# Altium PCB Modbus_PCB1.PcbDoc (part 1 of 3) (continued)
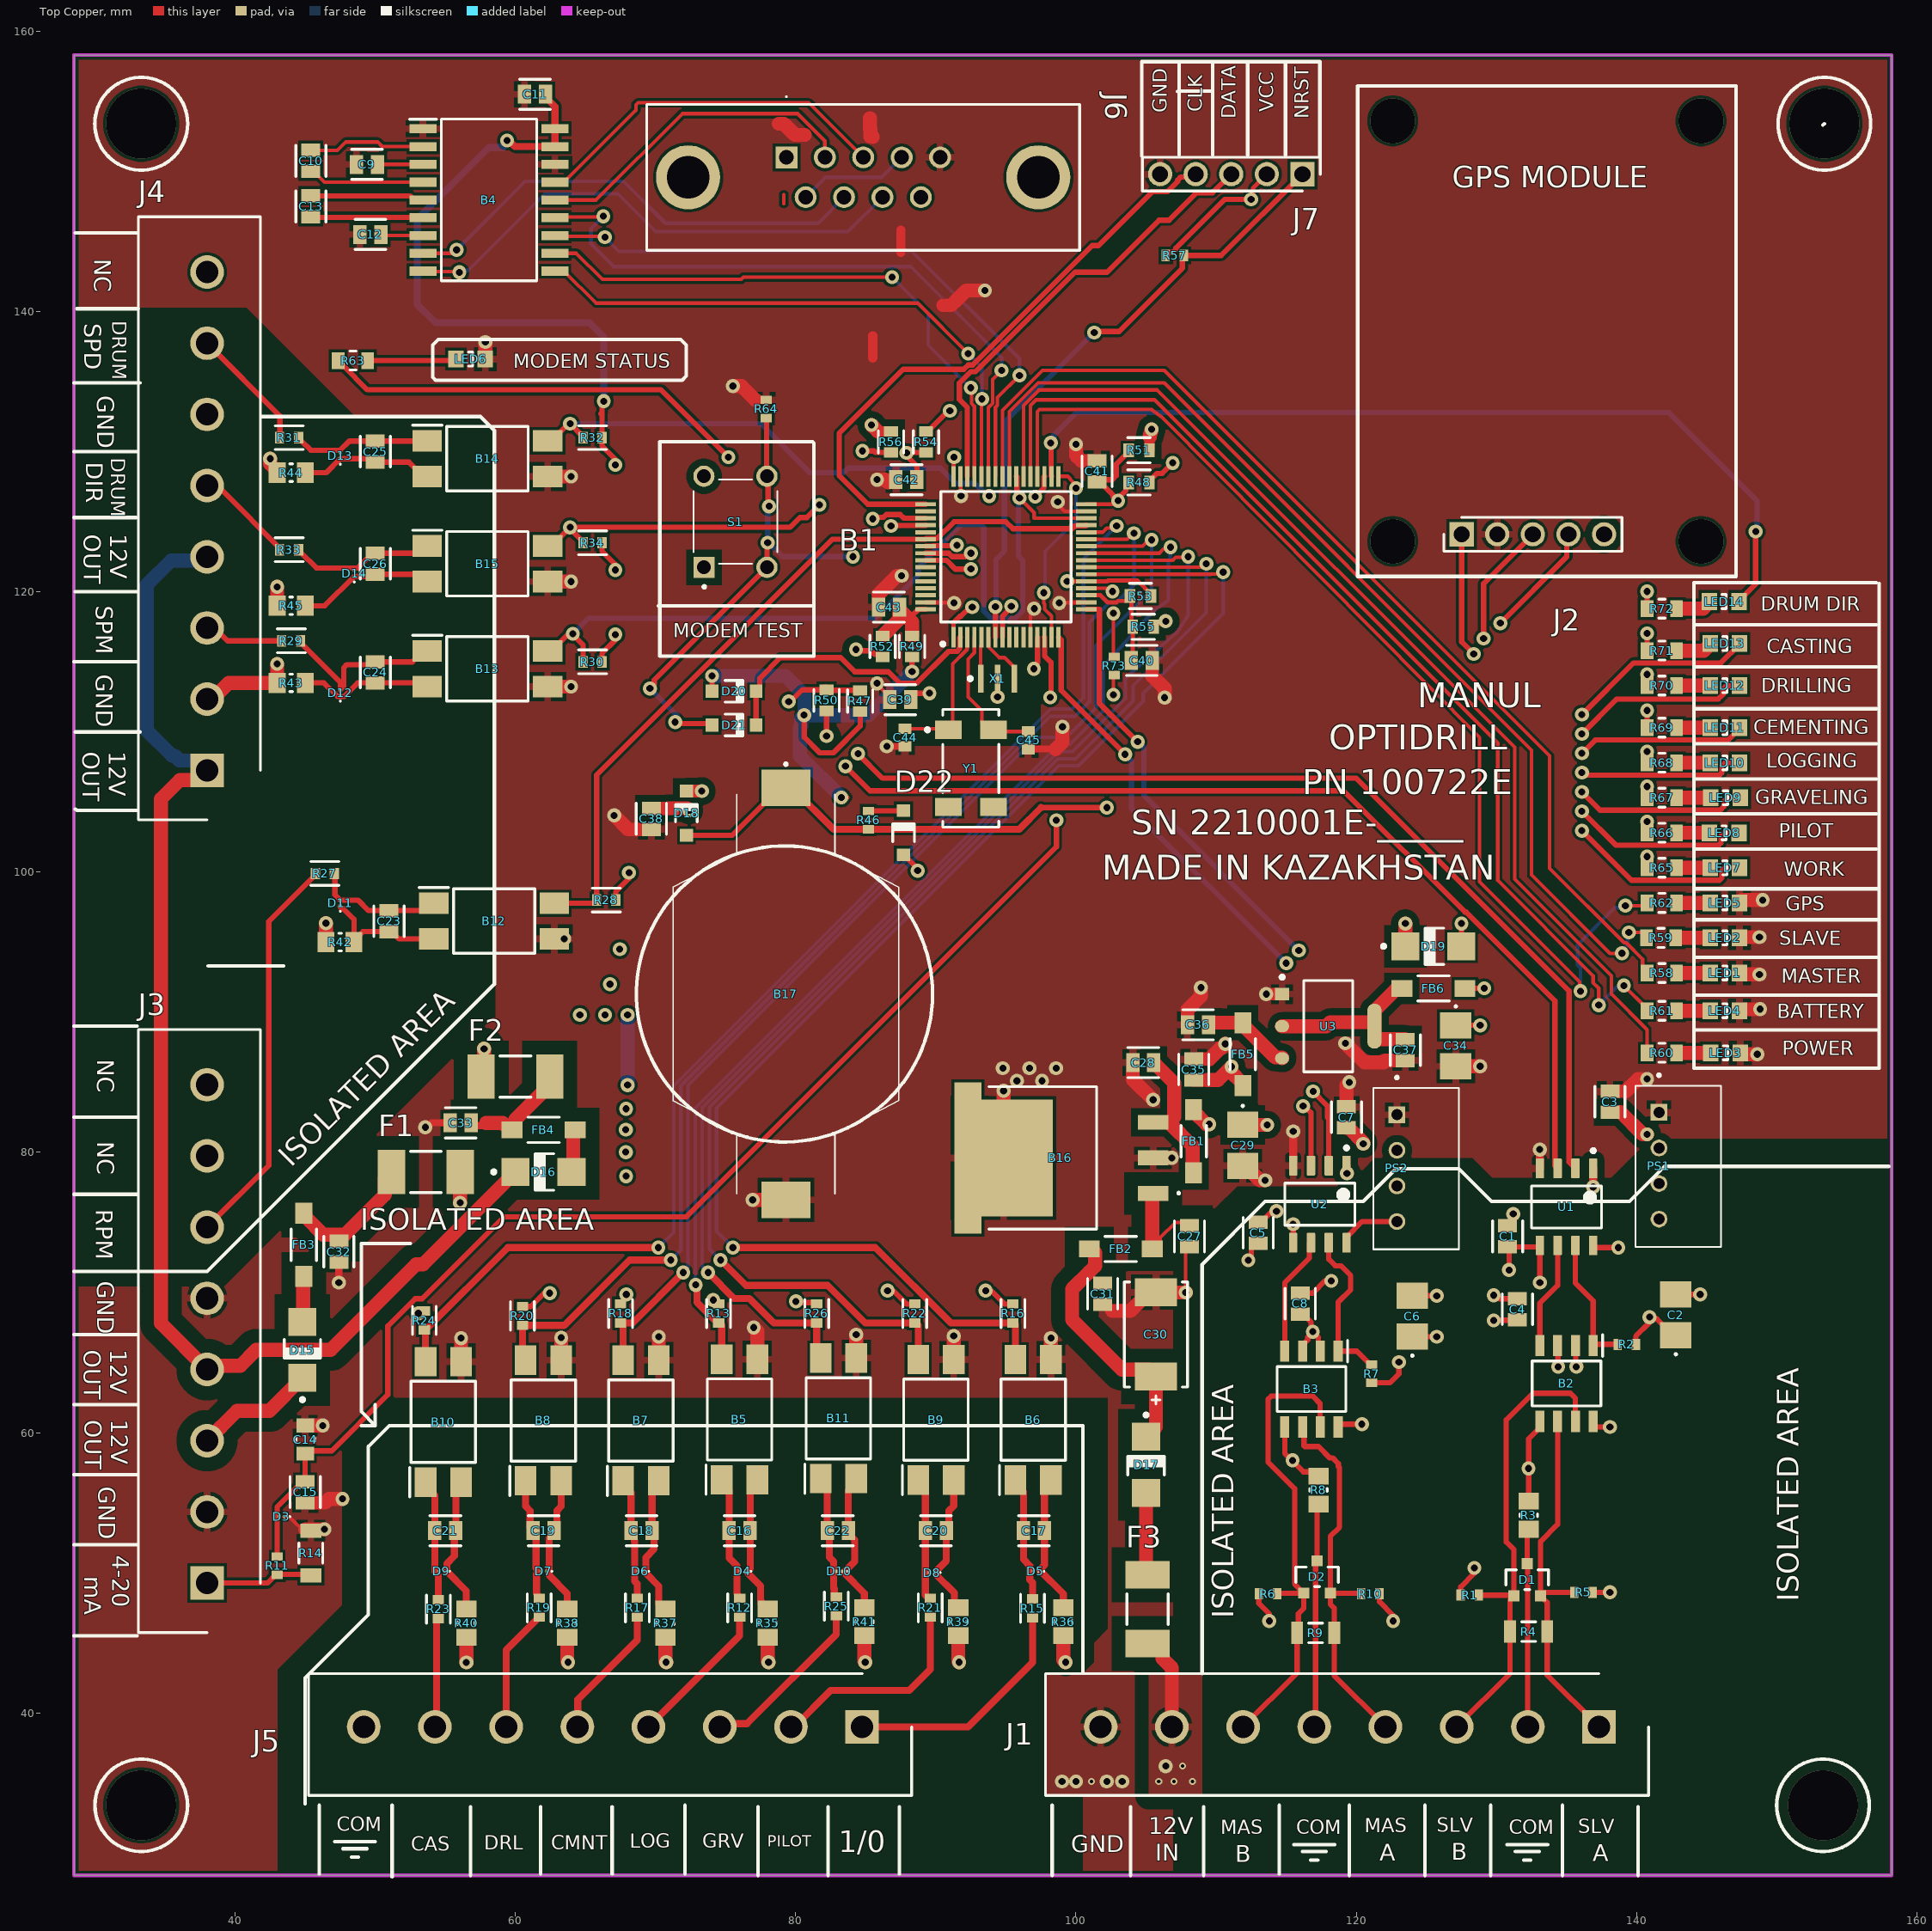
[diagram p0: Top Copper view]
## Footprints (in the part's own frame and the unit in brackets; to place one, negate y for a bottom-side part, rotate by r counter-clockwise, add the part's x,y. Pads: shape width x height; smd on the part's side, far side on the other; paste and mask are expansions set on the pad)
0805_A [mm] "Chip LED, 2-Leads, Body 2.0x1.3mm, IPC Medium Density"
  rect 1.1x1.2 smd: 1(-1.05,0) 2(1.05,0)
  silkscreen extent -0.15,-0.5 0.15,0.5, body extent -1,-0.62 1,0.63, height 0.68
57450512 [mm]
  rect 1.56x1.56 hole 1.04: 1(0,0)
  round 1.56 hole 1.04: 2(2.74,0) 3(5.48,0) 4(8.22,0) 5(10.96,0) 6(1.37,-2.84) 7(4.11,-2.84) 8(6.85,-2.84) 9(9.59,-2.84)
  round 4.575 hole 3.05: MH1(-7.015,-1.42) MH2(17.975,-1.42)
  silkscreen extent -9.96,-6.63 20.93,4.38, body extent -9.98,-6.6 20.9,3.81, height 12.09
CAPC1608X92X38LL15T08 [mm] "Chip Capacitor, 2-Leads, Body 1.60x0.80mm, IPC High Density"
  rect 0.75x0.9 smd: 1(-0.625,0) 2(0.625,0)
  body extent -0.87,-0.48 0.87,0.48, height 0.92
CONV_TME_0505S [mm]
  rect 1.19x1.19 hole 0.79: 1(-3.85,0)
  round 1.19 hole 0.79: 2(-1.31,0) 3(1.23,0) 4(3.77,0)
  silkscreen extent -6.6,-1.67 5.75,4.43, body extent -5.7,-1.73 5.7,4.27, height 9.91
DIOD-SOD123-2_V [mm] "SOD123, 2-Leads, Body 2.7x1.55mm, Height 1.45mm"
  rect 0.9x0.95 smd: 1(-1.575,0) 2(1.575,0)
  silkscreen extent -0.64,-0.83 0.63,0.77, body extent -1.35,-0.77 1.35,0.77, height 1.45
FP-0448-MFG [mil]
  rect 77x124 smd paste+0 mask+0: 1(-96.5,0) 2(96.5,0)
  silkscreen extent -43,-58 43,58, body extent -139,-66 139,66, height 10
FP-ABS25-MFG [mm]
  rect 1.3x1.9 smd paste+0 mask+0: 1(-2.75,-1.6) 2(2.75,-1.6) 3(2.75,1.6) 4(-2.75,1.6)
  silkscreen extent -4.2,-3.22 4.2,2, body extent -4.3,-2.65 4.3,2.65, height 0.25
FP-AC0805-MFG [mm]
  rect 0.9x1.2 smd paste+0 mask+0: 1(-1.05,0) 2(1.05,0)
  silkscreen extent -0.22,-0.68 0.23,0.67, body extent -1.6,-0.77 1.6,0.77, height 0.25
FP-AMS1117-IPC_C [mm]
  rect 1.004x0.872 smd paste+0 mask+0: 1(-3.295,2.29)
  rrect100% 1.004x0.872 smd paste+0 mask+0: 2(-3.295,0) 3(-3.295,-2.29)
  rrect87% 1.004x3.182 smd paste+0 mask+0: 4(3.295,0)
  silkscreen extent -3.42,-3.25 1.75,3.62, body extent -3.9,-3.35 3.9,3.35, height 0.25
FP-BLM41-0_2-a1_2-MFG [mm]
  rect 1.5x1.2 smd paste+0 mask+0: 1(-2.25,0) 2(2.25,0)
  silkscreen extent -1.12,-0.9 1.13,0.9, body extent -3.1,-1 3.1,1, height 0.25
FP-C0805C-DN-MFG [mm]
  rect 0.95x1.35 smd paste+0 mask+0: 1(-0.75,0) 2(0.75,0)
  silkscreen extent -1.1,-1.08 1.1,1.07, body extent -1.4,-0.85 1.4,0.85, height 0.25
FP-CRCW0603-HPe3-MFG [mm]
  rect 0.75x1 smd paste+0 mask+0: 1(-0.75,0) 2(0.75,0)
  silkscreen extent -0.8,-0.9 0.8,0.9, body extent -1.22,-0.6 1.22,0.6, height 0.25
FP-D0008B-MFG [mm]
  rrect17% 1.4x0.6 smd paste+0 mask+0: 1(-2.75,1.905) 2(-2.75,0.635) 3(-2.75,-0.635) 4(-2.75,-1.905) 5(2.75,-1.905) 6(2.75,-0.635) 7(2.75,0.635) 8(2.75,1.905)
  silkscreen extent -4.14,-2.5 1.5,2.5, body extent -3.55,-2.75 3.55,2.75, height 0.25
FP-MK212G-MFG [mm]
  rect 1x1.25 smd paste+0 mask+0: 1(-1,0) 2(1,0)
  silkscreen extent -0.13,-0.67 0.13,0.68, body extent -1.6,-0.77 1.6,0.77, height 0.25
FP-RC0603-0_55-IPC_C [mm]
  rect 0.659x0.812 smd paste+0 mask+0: 1(-0.677,0) 2(0.677,0)
  silkscreen extent -1.01,-0.85 1.01,0.85, body extent -1.11,-0.55 1.11,0.55, height 0.25
FP-RT1206-MFG [mm]
  rect 1x1.5 smd paste+0 mask+0: 1(-1.6,0) 2(1.6,0)
  silkscreen extent -0.72,-0.85 0.72,0.85, body extent -2.2,-0.95 2.2,0.95, height 0.25
FP-SM712-MFG [mm]
  rect 0.78x0.78 smd paste+0 mask+0: 1(-1.145,0.95) 2(-1.145,-0.95) 3(1.145,0)
  silkscreen extent -0.7,-1.52 0.7,1.52, body extent -1.64,-1.62 1.64,1.62, height 0.25
FP-TAJE-MFG [mm]
  rect 2x3 smd paste+0 mask+0: 1(-3,0) 2(3,0)
  silkscreen extent -3.75,-2.25 4.97,2.25, body extent -4.1,-2.35 4.1,2.35, height 0.25
HDRV5W67P0X254_1X5_1270X241X858P [mm]
  rect 1.725x1.725 / inner round 1.725 / far side rect 1.725x1.725 hole 1.15: 1(0,0)
  round 1.725 hole 1.15: 2(2.54,0) 3(5.08,0) 4(7.62,0) 5(10.16,0)
  silkscreen extent -1.27,-1.2 11.43,1.21, body extent -10,-3.38 10,3.38, height 5.8
KTT0003B [mm]
  rect 2.16x1.07 smd: 1(12.67,-2.54) 2(12.67,0) 3(12.67,2.54)
  rect 7x8.33 smd: 4(2,0)
  rect 1.91x1.235 smd: 5(-0.545,4.783) 6(-0.545,-4.783)
  silkscreen extent 0.94,-5.08 14.56,5.08, body extent -1.47,-5.08 13.77,5.08, height 4.54
MURA-CSTCE_G_A-3_V [mm] "SMD, 3-Leads, Body 3.2x1.3mm, Pitch 1.2mm"
  rect 0.4x2 smd: 1(-1.2,0) 2(0,0) 3(1.2,0)
  silkscreen extent -2.07,-0.12 -1.83,0.12, body extent -1.6,-0.65 1.6,0.65, height 0.7
ONSC-SMA-2-403D-02_V [mm] "Molded, 2-Leads, Body 4.57x2.92mm"
  rect 2x2 smd: 1(-2,0) 2(2,0)
  silkscreen extent -3.67,-1.3 0.74,1.3, body extent -2.16,-1.3 2.16,1.3, height 2.2
PESD5V0H1BSFYL [mm]
  rect 0.14x0.24 smd: 1(-0.2,0) 2(0.2,0)
  silkscreen extent -0.65,-0.05 -0.55,0.05, body extent -10,-3.38 10,3.38, height 5.8
QFP50P1200X1200X160-64N [mm]
  rect 1.475x0.3 smd: 1(-5.738,3.75) 2(-5.738,3.25) 3(-5.738,2.75) 4(-5.738,2.25) 5(-5.738,1.75) 6(-5.738,1.25) 7(-5.738,0.75) 8(-5.738,0.25) 9(-5.738,-0.25) 10(-5.738,-0.75) 11(-5.738,-1.25) 12(-5.738,-1.75) 13(-5.738,-2.25) 14(-5.738,-2.75) 15(-5.738,-3.25) 16(-5.738,-3.75) 33(5.738,-3.75) 34(5.738,-3.25) 35(5.738,-2.75) 36(5.738,-2.25) 37(5.738,-1.75) 38(5.738,-1.25) 39(5.738,-0.75) 40(5.738,-0.25) 41(5.738,0.25) 42(5.738,0.75) 43(5.738,1.25) 44(5.738,1.75) 45(5.738,2.25) 46(5.738,2.75) 47(5.738,3.25) 48(5.738,3.75)
  rect 0.3x1.475 smd: 17(-3.75,-5.738) 18(-3.25,-5.738) 19(-2.75,-5.738) 20(-2.25,-5.738) 21(-1.75,-5.738) 22(-1.25,-5.738) 23(-0.75,-5.738) 24(-0.25,-5.738) 25(0.25,-5.738) 26(0.75,-5.738) 27(1.25,-5.738) 28(1.75,-5.738) 29(2.25,-5.738) 30(2.75,-5.738) 31(3.25,-5.738) 32(3.75,-5.738) 49(3.75,5.738) 50(3.25,5.738) 51(2.75,5.738) 52(2.25,5.738) 53(1.75,5.738) 54(1.25,5.738) 55(0.75,5.738) 56(0.25,5.738) 57(-0.25,5.738) 58(-0.75,5.738) 59(-1.25,5.738) 60(-1.75,5.738) 61(-2.25,5.738) 62(-2.75,5.738) 63(-3.25,5.738) 64(-3.75,5.738)
  silkscreen extent -6.35,-4.65 4.65,4.65, body extent -10,-3.38 10,3.38, height 5.8
RESC1608X55X25LL10T15 [mm] "Chip Resistor, 2-Leads, Body 1.60x0.80mm, IPC High Density"
  rect 0.6x0.8 smd: 1(-0.65,0) 2(0.65,0)
  body extent -0.85,-0.45 0.85,0.45, height 0.55
RESC2013X60X35ML10T20 [mm] "Chip Resistor, 2-Leads, Body 2.1x1.35mm, IPC Low Density"
  rect 1.2x1.45 smd: 1(-1,0) 2(1,0)
  silkscreen extent -0.1,-0.63 0.1,0.62, body extent -1.05,-0.68 1.05,0.67, height 0.6
RESC3116X65X40LL10T20 [mm] "Chip Resistor, 2-Leads, Body 3.10x1.60mm, IPC High Density"
  rect 0.85x1.6 smd: 1(-1.325,0) 2(1.325,0)
  silkscreen extent -0.5,-0.7 0.5,0.7, body extent -1.6,-0.85 1.6,0.85, height 0.65
RHDR8W140P0X508_1X8_4264X830X1240P [mm]
  rect 2.4x2.4 / inner round 2.4 / far side rect 2.4x2.4 hole 1.6: 1(0,0)
  round 2.4 hole 1.6: 2(5.08,0) 3(10.16,0) 4(15.24,0) 5(20.32,0) 6(25.4,0) 7(30.48,0) 8(35.56,0)
  silkscreen extent -3.54,-3.8 39.5,4.9, body extent -10,-3.38 10,3.38, height 5.8
SMTU2032LF [mm]
  rect 2.6x3.5 smd: 1(-14.7,0) 2(14.7,0)
  silkscreen extent -16.5,-8.05 14.25,8.05, body extent -15.9,-8.18 15.9,7.92, height 5.2
SOIC127P600X175-8N [mm]
  rect 1.525x0.65 smd: 1(-2.712,1.905) 2(-2.712,0.635) 3(-2.712,-0.635) 4(-2.712,-1.905) 5(2.712,-1.905) 6(2.712,-0.635) 7(2.712,0.635) 8(2.712,1.905)
  silkscreen extent -3.48,-2.45 1.6,2.58, body extent -10,-3.38 10,3.38, height 5.8
SOIC127P1032X265-18N [mm]
  rect 1.925x0.65 smd: 1(-4.712,5.08) 2(-4.712,3.81) 3(-4.712,2.54) 4(-4.712,1.27) 5(-4.712,0) 6(-4.712,-1.27) 7(-4.712,-2.54) 8(-4.712,-3.81) 9(-4.712,-5.08) 10(4.712,-5.08) 11(4.712,-3.81) 12(4.712,-2.54) 13(4.712,-1.27) 14(4.712,0) 15(4.712,1.27) 16(4.712,2.54) 17(4.712,3.81) 18(4.712,5.08)
  silkscreen extent -5.67,-5.77 3.4,5.78, body extent -10,-3.38 10,3.38, height 5.8
SOP254P960X420-4N [mm]
  rect 2.1x1.55 smd: 1(-4.3,1.27) 2(-4.3,-1.27) 3(4.3,-1.27) 4(4.3,1.27)
  silkscreen extent -5.35,-2.3 2.9,2.39, body extent -10,-3.38 10,3.38, height 5.8
SW_TS02-66-60-BK-160-SCR-D [mm]
  rect 1.508x1.508 / inner round 1.508 / far side rect 1.508x1.508 hole 1: 1(-3.25,2.25)
  round 1.508 hole 1: 2(3.25,2.25) 3(-3.25,-2.25) 4(3.25,-2.25)
  silkscreen extent -4.75,-3 3,3
T520B [mm]
  rect 1.87x2.23 smd: 1(-1.46,0) 2(1.46,0)
  silkscreen extent -2.86,-0.05 -2.76,0.05, body extent -10,-3.38 10,3.38, height 5.8

## Part data
B1: "ARM Microcontrollers - MCU 16/32-BITS MICROS", Manufacturer_Name=STMicroelectronics, Mouser Part Number=511-STM32L071RBT7, Datasheet Link=http://www.st.com/content/ccc/resource/technical/document/datasheet/b5/24/80/11/51/59/47/f7/DM00141136.pdf/files/DM00141136.pdf/jcr:content/translations/en.DM00141136.pdf, Geometry.Height=1.6mm, Manufacturer_Part_Number=STM32L071RBT7, Mouser Price/Stock=https://www.mouser.co.uk/ProductDetail/STMicroelectronics/STM32L071RBT7?qs=qzCNEk%252BRr%252BZjEtOUFC%252Bu7w%3D%3D
B2 B3: "MAXIM INTEGRATED PRODUCTS - MAX13488EESA+T - Transceiver RS422, RS485, 4.75V-5.25V supply, 1 Driver, NSOIC-8", Manufacturer_Name="Maxim Integrated", Mouser Part Number=700-MAX13488EESAT, Datasheet Link=https://datasheets.maximintegrated.com/en/ds/MAX13487E-MAX13488E.pdf, Geometry.Height=1.75mm, Manufacturer_Part_Number=MAX13488EESA+T, Mouser Price/Stock=https://www.mouser.co.uk/ProductDetail/Maxim-Integrated/MAX13488EESA%2bT?qs=CDqwynd4ZNrf75a2RFzJTw%3D%3D
B4: "RS-232 Interface IC 3.0V to 5.5V, Low-Power, up to 1Mbps, True RS-232 Transceivers Using Four 0.1 uF External Capacitors", Manufacturer_Name="Maxim Integrated", Mouser Part Number=700-MAX3222EWN, Datasheet Link=https://pdfserv.maximintegrated.com/en/ds/MAX3222-MAX3241.pdf, Geometry.Height=2.65mm, Manufacturer_Part_Number=MAX3222EWN+, Mouser Price/Stock=https://www.mouser.co.uk/ProductDetail/Maxim-Integrated/MAX3222EWN%2b?qs=CDqwynd4ZNrAONYHXo3EOQ%3D%3D
B5 B6 B7 B8 B9 B10 B11 B12 B13 B14 B15: "Transistor Output Optocouplers Photocoupler", Manufacturer_Name="Sharp Microelectronics", Mouser Part Number=852-PC817XNNIP1B, Geometry.Height=4.2mm, Manufacturer_Part_Number=PC817XNNIP1B, Mouser Price/Stock=https://www.mouser.co.uk/ProductDetail/Sharp-Microelectronics/PC817XNNIP1B?qs=rrS6PyfT74dJvnx7366b6Q%3D%3D
B16: "1.5-A, Wide VIN Fixed Voltage Regulators", Manufacturer_Name="Texas Instruments", Manufacturer_Part_Number=LM7805S/NOPB, Mouser Part Number=595-LM7805S/NOPB, Datasheet Link=http://www.ti.com/lit/gpn/lm7800, Mouser Price/Stock=https://www.mouser.co.uk/ProductDetail/Texas-Instruments/LM7805S-NOPB?qs=9V2QonpqdTu8D%252Bva6DasHQ%3D%3D
B17: "Coin Cell Battery Holders SFC MNT FOR CR2032", Manufacturer_Name=RENATA, Mouser Part Number=614-SMTU2032-LF, Datasheet Link=https://componentsearchengine.com/Datasheets/1/SMTU2032-LF.pdf, Geometry.Height=5mm, Manufacturer_Part_Number=SMTU2032-LF, Mouser Price/Stock=https://www.mouser.co.uk/ProductDetail/Renata/SMTU2032-LF?qs=r1PAtlylphCLeXbokB9Tog%3D%3D
C1 C3 C4 C5 C7 C8 C9 C10 C11 C12 C13 C15 C16 C17 C18 C19 C20 C21 C22 C23 C24 C25 C26 C27 C28 C31 C32 C33 C35 C36 C37 C38 C39 C40 C41 C42 C43: library part CMP-2007-00277-3, "C0805 0.10 μF X7R 30ppm/°C 10.00% 50 V", Capacitance="0.10 μF", Manufacturer=KEMET, Package=C0805C-DN, Temperature="-55°C to +125°C", Temperature Characteristic=X7R, Temperature Coefficient=30ppm/°C, Temperature Range High=+125°C, Temperature Range Low=-55°C, Tolerance=0.1, Voltage Rating="50 V", Automotive=No, Category=Cap, ComponentLink2Description=Datasheet, ComponentLink2URL=https://content.kemet.com/datasheets/KEM_C1003_C0G_SMD.pdf, Device Class L1="Passive Components", Device Class L2=Capacitors, Device Class L3="Ceramic Capacitors", Height=0.88mm, Ipc Land Pattern Name=CAPC200125X78, Lead Free=Yes, Manufacturer Part Number=C0805C104K5RAC7411, Material=Ceramic, Octopart=https://octopart.com/c0805c104k5rac7411-kemet-18508045, RoHS=TRUE
C2 C6 C29 C34: "T520, Tantalum, Polymer Tantalum, Commercial Grade, 100 uF, 20%, 6.3 VDC, 105C, -55C, 105C, SMD, Polymer, Molded, Low ESR, Non-Combustible, 2,000 Hrs, 8 % , 40 mOhms, 63 uA, 94.85 mg, 3528, 1.9mm, Height Max = 2mm, 2000, 52  Weeks", Capacitance=100uF, Manufacturer_Name=KEMET, Mouser Part Number=80-T520B107M6ATE40, Datasheet Link=https://content.kemet.com/datasheets/KEM_T2076_T52X-530.pdf, Geometry.Height=2mm, Manufacturer_Part_Number=T520B107M006ATE040, Mouser Price/Stock=https://www.mouser.co.uk/ProductDetail/KEMET/T520B107M006ATE040?qs=A%2FUypIgi4aDLVIJ%2FABrGAw%3D%3D
C14: library part CMP-2000-06556-2, "CAP CER 10UF 10V X7R 0805", Capacitance=10uF, Case Code (Imperial)=0805, Case Code (Metric)=2012, Dielectric=X7R, Max Operating Temperature=125°C, Min Operating Temperature=-55°C, Package Quantity=1, Resistor Type=Ceramic, Tolerance=10%, Voltage Rating=10V, Case/Package=0805, Height=1.25mm, Lead Free="Lead Free", Length=0.079inch, Mount="Surface Mount", Number of Pins=2, Packaging="Tape and Reel", RoHS Compliant=Yes, Series=M, Termination=SMD/SMT, Thickness=0.053inch, Voltage Rating (DC)=10V, Width=0.049inch
C30: library part CMP-2000-07229-2, "150uF 20V  ±10% 300mΩ 2917  SMD Tantalum Capacitor", Capacitance=150uF, Case Code (Imperial)=2917, Case Code (Metric)=7343, Dielectric Material=Tantalum, ESR (Equivalent Series Resistance)=300mR, Leakage Current=30uA, Max Operating Temperature=125°C, Min Operating Temperature=-55°C, Package Quantity=1, Tolerance=10%, Voltage Rating=20V, Case/Package=2917, Construction=Flat, Depth=4.3mm, Dissipation Factor=8%, Features="General Purpose", Height=4.3mm, Height - Seated (Max)=0.169inch, Lead Free="Lead Free", Length=7.3mm, Mount="Surface Mount", Number of Pins=2, Packaging="Tape and Reel", Polarity=Polar, Radiation Hardening=No, REACH SVHC="No SVHC", RoHS Compliant=Yes, Series=TAJ, Termination=SMD/SMT, Voltage Rating (DC)=20V, Width=4.3mm
C44 C45: library part CMP-2006-01491-1, Manufacturer=Vitramon, Part Number=VJ0603D120JXPAJ
D1 D2: library part CMP-2000-07561-2, "TVS DIODE 12V 31V SOT23-3", Breakdown Voltage=13.3V, Capacitance=75pF, Case/Package=SOT-23-3, Clamping Voltage=31V, Leakage Current=20uA, Max Operating Temperature=125°C, Max Power Dissipation=600W, Max Surge Current=19A, Min Operating Temperature=-40°C, Package Quantity=3000, Power Line Protection=No, Reverse Standoff Voltage=12V, Composition=Zener, Depth=1.4mm, Direction=Bidirectional, Element Configuration=Dual, Lead Free="Lead Free", Length=3.04mm, Min Breakdown Voltage=13.3V, Mount="Surface Mount", Number of Bidirectional Channels=2, Number of Channels=2, Number of Pins=3, Packaging="Tape and Reel", Peak Pulse Current=19A, Peak Pulse Power=600W, Polarity=Bidirectional, Radiation Hardening=No, Termination=SMD/SMT, Working Voltage=12V
D3 D4 D5 D6 D7 D8 D9 D10 D11 D12 D13 D14: "ESD Suppressors / TVS Diodes", Manufacturer_Name=Nexperia, Mouser Part Number=771-PESD5V5H1BSFYL, Datasheet Link=https://assets.nexperia.com/documents/data-sheet/PESD5V0H1BSF.pdf, Geometry.Height=0.325mm, Manufacturer_Part_Number=PESD5V5H1BSFYL, Mouser Price/Stock=https://www.mouser.co.uk/ProductDetail/Nexperia/PESD5V5H1BSFYL?qs=T3oQrply3y9CfA%2FMHqAcog%3D%3D
D15 D16 D17 D19: library part CMP-0902-00292-1, "Surface Mount Ultrafast Power Rectifier, 2-Pin SMA, Pb-Free, Tape and Reel", Manufacturer="On Semiconductor", ComponentLink1Description="Manufacturer URL", ComponentLink1URL=http://www.onsemi.com/, ComponentLink2Description=Datasheet, ComponentLink2URL=http://www.onsemi.cn/pub_link/Collateral/MURA115T3-D.PDF, ComponentLink3Description="Package Specification", ComponentLink3URL=http://www.onsemi.com/pub_link/Collateral/403D-02.PDF, DatasheetVersion="Rev. 8", IFSM Max (A)=40, Mounting Technology="Surface Mount", PackageDescription="2-Pin Small Molded Package, J-Bend Lead, Body 2.605 x 4.315 mm", PackageReference=SMA-2-403D-02, PackageVersion="Rev. G, 07/2012", Packing="Tape and Reel", PartNumber=MURA120T3G, RoHS=TRUE, Type=Ultrafast
D18 D20 D21 D22: library part CMP-2000-04932-2, "Fast Switching Diode, 100 V, 0.15 A, -65 to 150 degC, 2-Pin?SOD123, RoHS, Tape and Reel", If - Forward Current=0.15A, Ir - Reverse Current=1uA, Manufacturer=DiodesIncorporated, Max Surge Current=2A, Maximum Operating Temperature=+150C, Minimum Operating Temperature=-65C, Operating Temperature Range=-65Cto+150C, Package / Case=SOD-123, Package Reference=SOD123-2, Peak Reverse Voltage=100V, Vf - Forward Voltage=1.25V, Brand=DiodesIncorporated, Configuration=Single, Datasheet URL=http://www.farnell.com/datasheets/1915529.pdf, Datasheet Version="Rev. 24-2, 10/2013", Factory Pack Quantity=3000, Height=1.25mm, Length=2.85mm, Manufacturer URL=http://www.diodes.com/, Mounting Style=SMD/SMT, Package URL=http://www.diodes.com/datasheets/ds18004.pdf, Packaging=Reel, Product=SwitchingDiodes, Product Category=Diodes-GeneralPurpose,Power,Switching, Recovery Time=4ns, RoHS=True, Series=1N4148, Type=SwitchingDiode, Unit Weight=0.000353oz, Width=1.7mm
F1 F2 F3: library part CMP-2000-05188-2, "FUSE BRD MNT 5A 125VAC/VDC 2SMD", Fuse Current=5A, Fuse Interrupt Ac Current=50A, Manufacturer=Littelfuse, Max Fuse Ac Voltage=125V, Package=0448, Resistance=0.01531Ω, Temperature="-55°C to +125°C", Temperature Range High=+125°C, Temperature Range Low=-55°C, Automotive=No, Category=Fuse, ComponentLink2Description=Datasheet, ComponentLink2URL=https://www.littelfuse.com/~/media/electronics/datasheets/fuses/littelfuse_fuse_448_datasheet.pdf.pdf, Device Class L1="Circuit Protection", Device Class L2=Fuses, Device Class L3=unset, Digikey Description="FUSE BRD MNT 5A 125VAC/VDC 2SMD", Fuse Blow Speed=Fast, Fuse I2T=4.49A2Sec, Fuse Interrupt Dc Current=50A, Height=2.94mm, Lead Free=Yes, Manufacturer Part Number=0448005.MR, Max Fuse Dc Voltage=125V, Mouser Description="Fuse Chip Very Fast Acting 5A 125V SMD Solder Pad 2410 Ceramic T/R CSA/PSE/UL", Octopart=https://octopart.com/0448005.mr-littelfuse-672815, RoHS=TRUE, Voltage Rating=125V
FB1 FB2 FB3 FB4 FB5 FB6: library part CMP-06046-002023-1, "Ferrite Bead, 1806, 180Ω @ 100MHz, 25%, 0.02Ω, 3.5A", Case Code (Imperial)=1806, Case Code (Metric)=4516, DC Resistance (DCR)=20mR, Max Current Rating=3.5A, Max DC Current=50mA, Max Operating Temperature=125°C, Min Operating Temperature=-55°C, Package Quantity=2500, Ratings=AEC-Q200, Test Frequency=100MHz, Tolerance=25%, Case/Package=1806, Contact Plating=Tin, Height=0.071inch, Impedance=180R, Length=4.5mm, Mount="Surface Mount", Number of Lines=1, Packaging="Tape and Reel", Series="EMIFIL®, BLM41P", Termination=SMD/SMT, Width=0.063inch
J1 J3 J4 J5: "Pluggable Terminal Blocks 5.08MM EURO HEADER VERT BLK 8CKT", Manufacturer_Name=Molex, Mouser Part Number=538-39531-1008, Datasheet Link=https://www.molex.com/pdm_docs/sd/395311008_sd.pdf, Geometry.Height=12.4mm, Manufacturer_Part_Number=39531-1008, Mouser Price/Stock=https://www.mouser.co.uk/ProductDetail/Molex/39531-1008?qs=cJvWYcaovXy3iX%252BVkyK%252Bcg%3D%3D
J2 J7: "68000-105HTLF-B/S SR HDR 1*5", Manufacturer_Name="Amphenol Communication Solutions", Mouser Part Number=649-68000-105HTLF, Datasheet Link=https://cdn.amphenol-cs.com/media/wysiwyg/files/drawing/68000.pdf, Geometry.Height=8.58mm, Manufacturer_Part_Number=68000-105HTLF, Mouser Price/Stock=https://www.mouser.co.uk/ProductDetail/Amphenol-FCI/68000-105HTLF?qs=w%2Fv1CP2dgqrYgNyQVoiqDw%3D%3D
J6: "HD-20 PLUG 9P VERT THD INS", Manufacturer_Name="TE Connectivity", Mouser Part Number=571-5745051-2, Datasheet Link=https://www.te.com/commerce/DocumentDelivery/DDEController?Action=showdoc&DocId=Customer+Drawing%7F5745051%7FA1%7Fpdf%7FEnglish%7FENG_CD_5745051_A1.pdf%7F5745051-2, Geometry.Height=12.47mm, Manufacturer_Part_Number=5745051-2, Mouser Price/Stock=https://www.mouser.co.uk/ProductDetail/TE-Connectivity/5745051-2?qs=FlGfrDooHc0LdF1RZqeXpw%3D%3D
LED1 LED2 LED3 LED4 LED5 LED6 LED7 LED8 LED9 LED10 LED11 LED12 LED13 LED14: library part CMP-1426-00007-1, "SMD mono-color Chip LED, WL-SMCW, Green", Color=Green, Manufacturer="Wuerth Elektronik", ComponentLink1Description="Manufacturer URL", ComponentLink1URL=http://www.we-online.com, ComponentLink2Description=Datasheet, ComponentLink2URL=http://katalog.we-online.com/led/datasheet/150080GS75000.pdf, PackageReference=0805_A, PartNumber=150080GS75000
PS1 PS2: "1 Watt DC/DC converter, industrial, 10% input, unregulated, encapsulated, SIP-4 package", Package="SIP-4 Traco Power", Availability="In Stock", Check_prices=https://www.snapeda.com/parts/TME%200505S/Traco%20Power/view-part/521108/?ref=eda, MF="Traco Power", MP="TME 0505S", Price=None, Purchase-URL="https://pricing.snapeda.com/search/part/TME 0505S/?ref=eda", SnapEDA_Link=https://www.snapeda.com/parts/TME%200505S/Traco%20Power/view-part/521108/?ref=snap
R1 R2 R5 R6 R7 R10 R11 R46 R57 R64 R73: library part CMP-2000-06942-1, "Chip Resistor, 4.7 KOhm, +/- 1%, 0.1 W, -55 to 155 degC, 0603 (1608 Metric), RoHS, Tape and Reel", Case Code - in=0603, Case Code - mm=1608, Manufacturer=Yageo, Operating Temperature Range=-55Cto+155C, Package Description="2-Pin Surface Mount Device, Body 1.6 x 0.8 mm", Power Rating=100mW, Resistance=4.7kOhms, Temperature Coefficient=100PPM/C, Tolerance=1%, Voltage Rating=50V, Datasheet URL=http://www.yageo.com/documents/recent/PYu-RC_Group_51_RoHS_L_7.pdf, Datasheet Version="Rev. 7, 05/2017", Manufacturer URL=http://www.yageo.com/, Mounting Technology=SurfaceMount, Package Reference=0603, Packaging=Reel, Product=ThickFilmResistorsGeneralPurpose, Series=RC, Termination Style=SMD/SMT
R3 R8 R35 R36 R37 R38 R39 R40 R41 R42 R43 R44 R45: library part CMP-2100-03670-1, "Chip Resistor, 10 Ohm, +/- 1%, 0.125 W, -55 to 155 degC, 0805 (2012 Metric), RoHS, Tape and Reel", Case Code (Imperial)=0805, Case Code (Metric)=2012, Manufacturer=Yageo, Max Operating Temperature=155degC, Max Power Dissipation=125mW, Min Operating Temperature=-55degC, Package Description="2-Pin Surface Mounted Device, Body 2 x 1.25 mm", Package Quantity=1, Resistance=10Ohm, Temperature Coefficient=200ppm/degreesC, Tolerance=1%, Voltage Rating=150V, Case/Package=0805, Composition=ThickFilm, Datasheet URL=http://www.yageo.com/NewPortal/yageodocoutput?fileName=/pdf/R-Chip/PYu-RC_Group_51_RoHS_L_5.pdf, Datasheet Version="Rev. 5, 10/2016", Depth=1.25mm, Height=0.5mm, Lead Free=LeadFree, Length=2mm, Manufacturer URL=http://www.yageo.com/, Number of Pins=2, Number of Terminations=2, Package Reference=0805, Packaging=TapeandReel, Power Rating=125mW, REACH SVHC=NoSVHC, RoHSCompliant=true, Termination=SMD/SMT, Voltage Rating (DC)=150V, Width=1.25mm
R4 R9: library part CMP-2000-06965-1, "Chip Resistor, 120 Ohm, +/- 1%, 250 mW, -55 to 155 degC, 1206 (3216 Metric), RoHS, Tape and Reel", Manufacturer=Yageo, Package Description="2-Pin Surface Mount Device, Body 3.1 x 1.6 mm", Package Reference=1206, Power Rating=250mW, Resistance=120ohm, Resistance Tolerance=±1%, Resistor Case Style=1206[3216Metric], Resistor Element Type=ThickFilm, Temperature Coefficient=±100ppm/°C, Voltage Rating=200V, Datasheet URL=http://www.yageo.com/documents/recent/PYu-RC_Group_51_RoHS_L_7.pdf, Datasheet Version="Rev. 7, 05/2017", Manufacturer URL=http://www.yageo.com/, Mounting Technology=SurfaceMount, MSL=MSL1-Unlimited, Packaging=CutTape, Product Range=RCSeries, SVHC=ToBeAdvised
R12 R15 R17 R19 R21 R23 R25 R27 R29 R31 R33: library part CMP-2000-06931-2, "RES SMD 1.8K OHM 1% 1/10W 0603", Case Code (Imperial)=0603, Case Code (Metric)=1608, Max Operating Temperature=155°C, Max Power Dissipation=100mW, Min Operating Temperature=-55°C, Package Quantity=5000, Resistance=1.8kR, Resistance Tolerance=1%, Resistor Type="Thick Film", Temperature Coefficient=100ppm/°C, Voltage Rating=50V, Case/Package=0603, Construction=Rectangular, Depth=0.8mm, Features="Moisture Resistant", Height=0.45mm, Lead Free="Lead Free", Length=1.6mm, Military Standard=Not, Number of Pins=2, Number of Terminations=2, Packaging="Tape and Reel", Power Rating=100mW, REACH SVHC="No SVHC", RoHS Compliant=Yes, Series=RC, Size Code=0603, Technology="THICK FILM", Termination=SMD/SMT, Tolerance=1%, Voltage Rating (DC)=50V, Width=0.8mm
R13 R16 R18 R20 R22 R24 R26 R28 R30 R32 R34: library part CMP-1659-00009-5, "RES 1K OHM 1% 1/10W 0603", Case Code (Imperial)=0603, Case Code (Metric)=1608, Max Operating Temperature=155°C, Max Power Dissipation=100mW, Min Operating Temperature=-55°C, Resistance=1kR, Resistance Tolerance=1%, Resistor Type="Thick Film", Temperature Coefficient=100ppm/°C, Voltage Rating=50V, Case/Package=0603, Construction=Rectangular, Contact Plating=Tin, Depth=0.8mm, Features="Moisture Resistant", Height=0.45mm, Lead Free="Lead Free", Length=1.6mm, Military Standard=Not, Number of Terminations=2, Packaging="Tape and Reel", Power Rating=100mW, Radiation Hardening=No, REACH SVHC="No SVHC", RoHS Compliant=Yes, Series=RC, Size Code=0603, Technology="THICK FILM", Termination=SMD/SMT, Tolerance=1%
R14: library part CMP-2003-04301-2, "RES SMD 120 OHM 1% 1/4W 1206", Manufacturer=Yageo, Package=RT1206, Power Rating=0.25W, Resistance=120Ω, Temperature="-55°C to +155°C", Temperature Coefficient="50 ppm/°C", Temperature Range High=+155°C, Temperature Range Low=-55°C, Tolerance=0.0002, Voltage Rating=200V, Automotive=No, Category=Res, ComponentLink2Description=Datasheet, ComponentLink2URL=http://www.yageo.com/documents/recent/PYu-RT_1-to-0.01_RoHS_L_9.pdf, Composition="Thin Film", Device Class L1="Passive Components", Device Class L2=Resistors, Device Class L3="Chip SMD Resistors", Digikey Description="RES SMD 120 OHM 1% 1/4W 1206", Footprint Url=http://www.yageo.com/exep/pages/download/literatures/PYu-R_Mount_10.pdf, Height=0.65mm, Ipc Land Pattern Name=RESC310160X55, Lead Free=Yes, Manufacturer Part Number=RT1206FRE07120RL, Mouser Description="Thin Film Resistors - SMD 1/4W 120 ohm 1% 50ppm", Octopart=https://octopart.com/rt1206fre07120rl-yageo-1433320, RoHS=TRUE, Series=RT
R47 R48 R49 R50 R51 R52 R53 R54 R55 R56: library part CMP-2000-03817-2, "RES Thick Film, 0Ω, , 0.33W, , 0603", Case Code (Imperial)=0603, Case Code (Metric)=1608, Max Operating Temperature=155°C, Max Power Dissipation=250mW, Min Operating Temperature=-55°C, Package Quantity=5000, Resistance=0mR, Temperature Coefficient=0ppm/°C, Voltage Rating=75V, Case/Package=0603, Composition="Thick Film", Contact Plating=Tin, Depth=0.85mm, Features="Automotive AEC-Q200", Height=0.45mm, Lead Free="Lead Free", Length=1.6mm, Military Standard=Not, Mount="Surface Mount", Number of Pins=2, Number of Terminations=2, Packaging="Tape and Reel", Power Rating=250mW, Radiation Hardening=No, Termination=SMD/SMT, Voltage Rating (DC)=75V, Weight=7.1E-05oz, Width=0.033inch
R58 R59 R60 R61 R62 R63 R65 R66 R67 R68 R69 R70 R71 R72: library part CMP-03412-037669-1, "RES SMD 510 OHM 1% 1/8W 0805", Manufacturer=Yageo, Package=AC0805, Power Rating=1/8W, Resistance=510Ω, Temperature="-55°C to +155°C", Temperature Range High=+155°C, Temperature Range Low=-55°C, Tolerance=0.01, Voltage Rating=150V, Automotive=Yes, Automotive Grade="Grade 0", Category=Res, ComponentLink2Description=Datasheet, ComponentLink2URL=http://www.yageo.com/documents/recent/PYu-AC_51_RoHS_L_6.pdf, Composition="Thick Film", Device Class L1="Passive Components", Device Class L2=Resistors, Device Class L3="Chip SMD Resistors", Digikey Description="RES SMD 510 OHM 1% 1/8W 0805", Footprint Url=http://www.yageo.com/exep/pages/download/literatures/PYu-R_Mount_10.pdf, Height=0.6mm, Ipc Land Pattern Name=RESC200125X50, Lead Free=Yes, Manufacturer Part Number=AC0805FR-07510RL, Mouser Description="Thick Film Resistors - SMD 1/8W 510ohm 1% AEC-Q200", Octopart=https://octopart.com/ac0805fr-07510rl-yageo-71367760, RoHS=TRUE, Series=AC
S1: Package=None, Availability=Unavailable, MP=TS02-66-60-BK-160-SCR-D, Price=None
U1 U2: library part CMP-04872-000214-1, "DGTL ISO 3000VRMS 2CH GP 8SOIC", Case/Package=SOIC, Isolated Power=No, Max Operating Temperature=125°C, Max Supply Voltage=5.5V, Min Operating Temperature=-40°C, Min Supply Voltage=3V, Channel Type=Unidirectional, Contact Plating=Gold, Data Rate=25Mbps, Lead Free="Lead Free", Mount="Surface Mount", Number of Channels=2, Number of Pins=8, Packaging="Cut Tape", Propagation Delay=57ns, Pulse Width Distortion (PWD)=4ns, REACH SVHC="No SVHC", RoHS Compliant=Yes, Type="General Purpose"